# Altium PCB Zynq-Video-Board.PcbDoc (part 1 of 7) (continued)
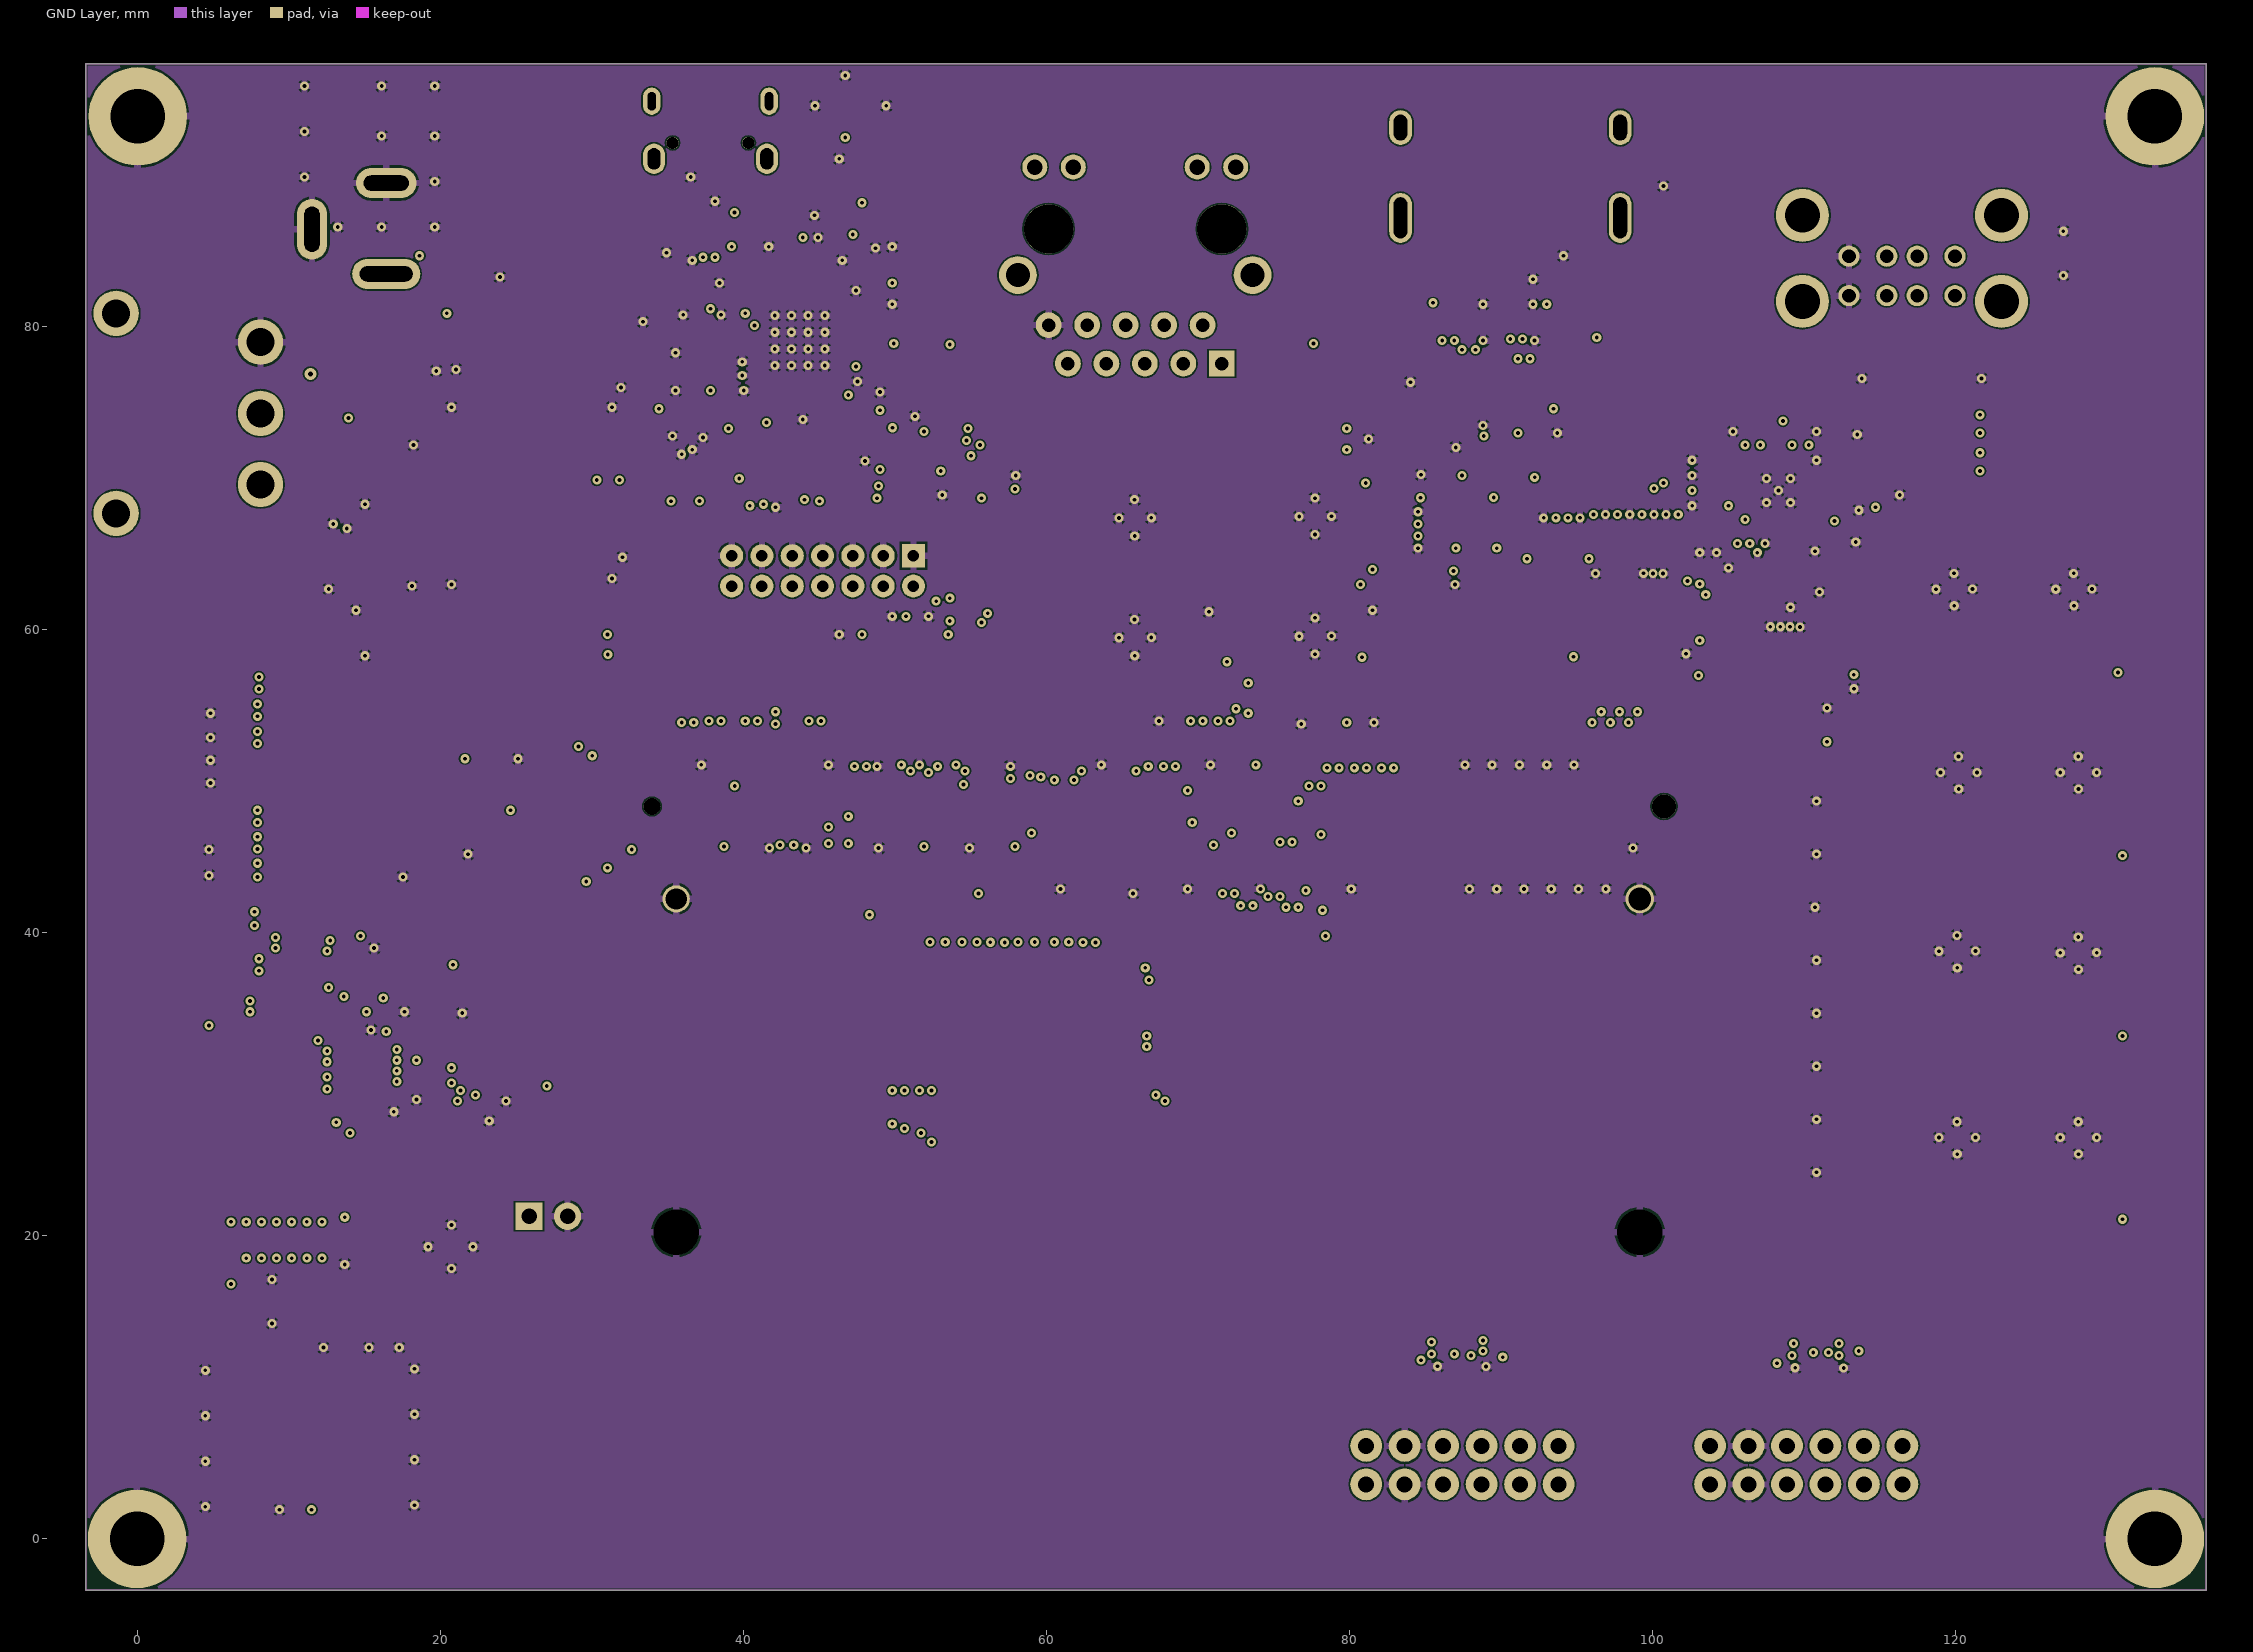
[diagram p3: GND Layer]
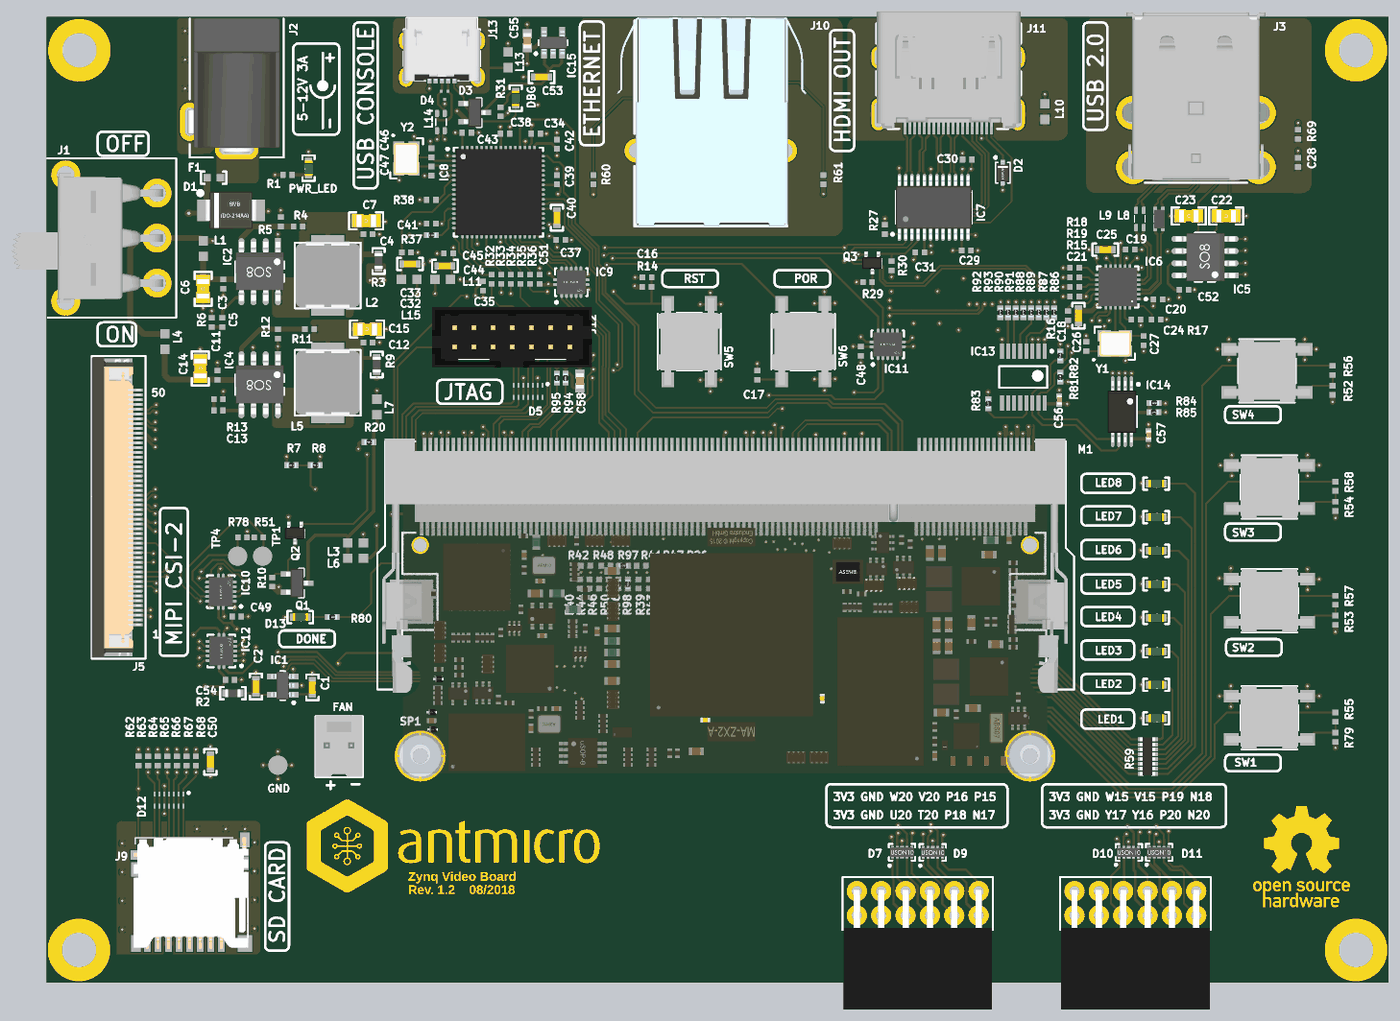
[diagram p10: 3D render of the assembled board from above, using the file's embedded part models]

## Layer stack, top to bottom
Top Solder: solder mask 0.0102, Solder Resist, Dk 3.5
Top Layer: signal copper 0.018
Dielectric 1: prepreg 0.36, FR-4, Dk 4.6
Power Layer: signal copper 0.035
Dielectric 2: core 0.71, FR+4, Dk 4.6
GND Layer: signal copper 0.035
Dielectric 3: prepreg 0.36, Dk 4.6
Bottom Layer: signal copper 0.018
Bottom Solder: solder mask 0.0102, Solder Resist, Dk 3.5

## Board outline
-3.4,-3.4 136.6,-3.4 136.6,97.39 -3.4,97.39

## Design rules (kind name [scope] priority, off if disabled: settings)
Clearance Clearance-xPP-xTP-xTT [All] p1: gap=0.1
ComponentClearance [All] p1: gap=0.25 collisioncheckmode=3 verticalgap=0.25 showdistances=FALSE
DiffPairsRouting [All] p1: maxlimit=0.2 minlimit=0.12 mostfreqgap=0.2 toplayer_maxgap=0.12 toplayer_prefgap=0.12 toplayer_minwidth=0.23 toplayer_maxwidth=0.23 toplayer_prefwidth=0.23 midlayer1_mingap=0.2 midlayer1_minwidth=0.2 midlayer1_maxwidth=0.2 midlayer1_prefwidth=0.2 midlayer2_mingap=0.2 midlayer2_minwidth=0.2 midlayer2_maxwidth=0.2 midlayer2_prefwidth=0.2 bottomlayer_maxgap=0.12 bottomlayer_prefgap=0.12 bottomlayer_minwidth=0.23 bottomlayer_maxwidth=0.23 bottomlayer_prefwidth=0.23 maxuncoupledlength=2
Height [All] p1: minheight=0 maxheight=25 prefheight=12.5
HoleSize HoleSize-PTH [All] p1: absolutevalues=TRUE maxlimit=4 minlimit=0.15 maxpercent=80.000 minpercent=20.000
HoleToHoleClearance [All] p1: gap=0.2 allowstackedmicrovias=TRUE
MinimumAnnularRing "Minimum IAR  <= 0.45mm" [((ObjectKind = 'Pad') OR (ObjectKind = 'Via')) And (Layer = 'MultiLayer') And (HoleDiameter <= AsMM(0.45))] p1: minimumring=0.125 // minimum inner annular ring for pads <= 0.45mm finished hole size
MinimumAnnularRing "Minimum IAR  > 0.45mm" [((ObjectKind = 'Pad') OR (ObjectKind = 'Via')) And (Layer = 'MultiLayer') And (HoleDiameter > AsMM(0.45))] p2: minimumring=0.125 // minimum inner annular ring for pads > 0.45mm finished hole size
MinimumAnnularRing Minimum-IAR [All] p3: minimumring=0.125
MinimumSolderMaskSliver [All] p1: minsoldermaskwidth=0
PlaneClearance PlaneClearance-IPI [All] p1: clearance=0.25
PlaneConnect [All] p1: planeconnectstyle=Relief reliefexpansion=0.175 reliefentries=4 reliefconductorwidth=0.45 reliefairgap=0.2
PolygonConnect PolygonConnect-xTW [All] p1: connectstyle=Relief reliefconductorwidth=0.45 reliefentries=4 polygonreliefangle="90 Angle" airgapwidth=0.15
RoutingCorners [All] p1: cornerstyle=45-Degree minsetback=2.5 maxsetback=2.5
RoutingVias "RoutingVias <= 0.45mm" [(ObjectKind = 'Via') And (HoleDiameter <= AsMM(0.45))] p1: holewidth=0.2 width=0.55 viastyle="Through Hole" minholewidth=0.15 minwidth=0.5 maxholewidth=0.45 maxwidth=0.8
RoutingVias "RoutingVias > 0.45mm" [(ObjectKind = 'Via') And (HoleDiameter > AsMM(0.45))] p2: holewidth=0.5 width=0.85 viastyle="Through Hole" minholewidth=0.5 minwidth=0.85 maxholewidth=0.9 maxwidth=1.25
SilkToSilkClearance [All] p1: silktosilkclearance=0.1
SilkToSolderMaskClearance SilkscreenOverComponentPads [IsPad] p1: minsilkscreentomaskgap=0.08 clearancetoexposedcopper=TRUE
SolderMaskExpansion [All] p1: expansion=0
Width Width-xTW [All] p1: maxlimit=1.5 minlimit=0.001 preferedwidth=0.2
18 further rules are at their usual default settings.

## Classes and differential pairs
component class [8]_Peripherals: D7 D9 D10 D11 J6 J7 LED1 LED2 LED3 LED4 LED5 LED6 LED7 LED8 R52 R53 R54 R55 R56 R57 R58 R59 R79 SW1 SW2 SW3 SW4
net class Z_90: 5V0_USB DBG_USB_D_C_N DBG_USB_D_C_P DBG_USB_D_N DBG_USB_D_P
differential pair USB_D1: +USB_D1_P -USB_D1_N
differential pair USB_D0: +USB_D0_P -USB_D0_N
differential pair CN_B4: +CN_B4_P -CN_B4_N
differential pair CN_B3: +CN_B3_P -CN_B3_N
differential pair CN_B2: +CN_B2_P -CN_B2_N
differential pair CN_B1: +CN_B1_P -CN_B1_N
differential pair USB_UP: +USB_UP_P -USB_UP_N
differential pair ETH_D: +ETH_D_P -ETH_D_N
differential pair ETH_C: +ETH_C_P -ETH_C_N
differential pair ETH_B: +ETH_B_P -ETH_B_N
differential pair ETH_A: +ETH_A_P -ETH_A_N
differential pair DBG_USB_D: +DBG_USB_D_P -DBG_USB_D_N
differential pair TMDS_CLK: +TMDS_CLK_P -TMDS_CLK_N
differential pair TMDS_D0: +TMDS_D0_P -TMDS_D0_N
differential pair TMDS_D1: +TMDS_D1_P -TMDS_D1_N
differential pair TMDS_D2: +TMDS_D2_P -TMDS_D2_N
differential pair CN_C1: +CN_C1_P -CN_C1_N
differential pair CN_C2: +CN_C2_P -CN_C2_N
differential pair CN_C3: +CN_C3_P -CN_C3_N
differential pair CN_C4: +CN_C4_P -CN_C4_N
differential pair L_USB_D0: +L_USB_D0_P -L_USB_D0_N
differential pair L_USB_D1: +L_USB_D1_P -L_USB_D1_N
differential pair HP_CSI1_CLK: +HP_CSI1_CLK_P -HP_CSI1_CLK_N
differential pair HP_CSI1_D0: +HP_CSI1_D0_P -HP_CSI1_D0_N
differential pair HP_CSI1_D1: +HP_CSI1_D1_P -HP_CSI1_D1_N
differential pair HP_CSI2_CLK: +HP_CSI2_CLK_P -HP_CSI2_CLK_N
differential pair HP_CSI2_D0: +HP_CSI2_D0_P -HP_CSI2_D0_N
differential pair HP_CSI2_D1: +HP_CSI2_D1_P -HP_CSI2_D1_N

## Components (designator, comment, footprint, x,y, rotation, side; value= is the part's Value field where it differs from the comment)
C1 "2u2" 0603#1 24.35,27.4 r270 top
C2 "2u2" 0603#1 18.45,27.5 r270 top
C3 "100n" 0402#1 15.05,69.5 r90 top
C4 "100n" 0402#1 30.15,74.7 r180 top
C5 "2n2" 0402#1 14.95,65.5 r90 top
C6 "22u" 0805 12.95,69 r90 top
C7 "22u" 0805 29.95,76.1 r180 top
C11 "100n" 0402#1 14.45,60 r270 top
C12 "100n" 0402#1 30.15,63.4 r180 top
C13 "1n5" 0402#1 14.55,56.3 r0 top
C14 "22u" 0805 12.65,60.7 r270 top
C15 "22u" 0805 30.05,64.8 r180 top
C16 "10n" 0402#1 59.25,70.2 r0 top
C17 "10n" 0402#1 70.75,60 r270 top
C18 "1u" 0603#1 104.25,66.2 r90 top
C19 "100n" 0402#1 109.65,73.1 r180 top
C20 "100n" 0402#1 112.55,67.9 r180 top
C21 "100n" 0402#1 103.85,68.2 r0 top
C22 "22u" 0805 119.65,76.6 r180 top
C23 "22u" 0805 115.75,76.6 r0 top
C24 "100n" 0402#1 110.25,65.8 r180 top
C25 "1u" 0603#1 107.05,73.1 r0 top
C26 "18p" 0402#1 105.05,63 r270 top
C27 "18p" 0402#1 111.05,63.6 r90 top
C28 "100n" 0402#1 127.15,82.2 r270 top
C29 "100n" 0402#1 92.55,73 r0 top
C30 "100n" 0402#1 92.65,82.5 r180 top
C31 "100n" 0402#1 87.7,72.8 r180 top
C32 "4u7" 0603#1 34.53,71.6 r0 top
C33 "100n" 0402#1 34.15,72.8 r180 top
C34 "100n" 0402#1 47.65,85.2 r180 top
C35 "100n" 0402#1 42.15,69.3 r90 top
C37 "100n" 0402#1 50.25,74.1 r180 top
C38 "100n" 0402#1 44.45,85.2 r180 top
C39 "100n" 0402#1 49.85,80.4 r270 top
C40 "4u7" 0603#1 49.85,76.42 r270 top
C41 "100n" 0402#1 36.75,75.8 r0 top
C42 "100n" 0402#1 49.85,84.1 r270 top
C43 "100n" 0402#1 40.45,85.3 r180 top
C44 "4u7" 0603#1 38.17,71.4 r180 top
C45 "100n" 0402#1 38.55,72.7 r0 top
C46 "18p" 0402#1 36.75,83.2 r270 top
C47 "18p" 0402#1 36.75,81.3 r90 top
C48 "100n" 0402#1 81.55,62.5 r270 top
C49 "100n" 0402#1 16.45,34.8 r0 top
C50 "1u" 0603#1 13.709,19.629 r90 top
C51 "100n" 0402#1 48.05,70 r90 top
C52 "100n" 0402#1 115.25,68.9 r180 top
C53 "1u" 0603#1 48.25,91.1 r0 top
C54 "100n" 0402#1 15.75,28.2 r0 top
C55 "1u" 0603#2 46.75,94.9 r270 top
C56 "100n" 0402#2 102.25,57.4 r270 top
C57 "100n" 0402#2 111.56,53.74 r270 top
C58 "2u2" 0603#2 52.25,59.4 r270 top
D1 "SMAJ12A" DO-214AA 15.85,77.2 r0 top
D2 "1N4148WS" SOD-323 96.35,81.1 r0 top
D3 "BAV70LT3G" SOT-23 41.279,87.399 r0 top
D4 "TPD2E009DRTR" SOT-3 38.15,89.2 r180 top
D5 "TPD6E05U06" TPD6E05U06_PASS 46.85,58.3 r180 top
D7 "TPD4E05U06" TPD4E05U06_PASS 85.85,10.2 r0 top
D9 "TPD4E05U06" TPD4E05U06_PASS 89.05,10.185 r0 top
D10 "TPD4E05U06" TPD4E05U06_PASS 109.502,10.185 r0 top
D11 "TPD4E05U06" TPD4E05U06_PASS 112.65,10.2 r0 top
D12 "TPD6E05U06" TPD6E05U06_PASS 9.409,15.629 r180 top
D13 "KPT-1608SGC" LED0603 23.08,34.73 r180 top
DBG "KPT-1608SGC" LED0603 45.55,88.9 r90 top
F1 "3A" 0603#3 14.75,80.6 r180 top
FAN "MX-22-23-2021" molex_2223-2021 27.15,21.3 r0 top
GND "Testpad" TP-R-2#1 20.75,19.286 r0 top
IC1 "TLV73328PDBVT" SOT23-5N 21.25,27.6 r180 top
IC2 "NCP3170BDR2G" SOIC-8 20.75,73.5 r270 top
IC4 "NCP3170BDR2G" SOIC-8 20.75,61.7 r270 top
IC5 "MIC2026-1YM" SOIC-8 120.15,70.4 r180 top
IC6 "USB2422" QFN24 108.35,69.2 r180 top
IC7 "TPD12S016PWR" TSOP65P640X120-24L 89.15,77.5 r90 top
IC8 "FT4232HQ" FT2232HQ 43.75,79.1 r0 top
IC9 "NTB0104BQ" DHVQFN14 51.35,69.7 r90 top
IC10 "NTB0104BQ" DHVQFN14 14.8,37.4 r180 top
IC11 "NTB0104BQ" DHVQFN14 84.35,63.2 r90 top
IC12 "NTS0104BQ" DHVQFN14 14.85,31.2 r180 top
IC13 "TCA9554A" DBQ0016A 98.49,59.8 r270 top
IC14 "RM24C128DS-LTAI-B" TSSOP-8 108.79,56.19 r270 top
IC15 "TLV73333PDBVT" SOT23-5N 49.45,94.7 r90 top
J1 "6A" 1101M2S3AQE2 8.15,69.6 r90 top
J2 "" DC_SOCKET 16.45,97.2 r270 top
J3 "Value" T_MMMC_896-43-008-90-000000 123.75,97.8 r180 top
J5 "68715014522" 68715014522_FLIPPED 5.05,46.2 r270 top locked
J6 "SSW-106-02-G-D-RA" SSW-106-02-G-D-RA 81.13,3.6 r0 top
J7 "SSW-106-02-G-D-RA" SSW-106-02-G-D-RA 103.83,3.6 r0 top
J9 "114-00841-68" 114-00841-68 17.309,1.529 r0 top
J10 "7499111121A" WE_7499111121A 65.85,85.4 r180 top
J11 "47151-1001" Molex_HDMI_471511001 90.65,89.8 r180 top
J12 "Molex-87831-1420" CON-Molex-87831-1420 51.25,64.9 r180 top
J13 "Value" WE_629105150521 37.85,94 r180 top
L1 "BLM18SG121TN1D" 0603#4 12.95,73.2 r270 top
L2 "IHLP2525CZER3R3M01" IHLP-2525CZ-01 25.95,70.4 r90 top
L3 "BLM18SG121TN1D" 0603#4 28.85,42.5 r0 top
L4 "BLM18SG121TN1D" 0603#4 8.95,63.5 r270 top
L5 "IHLP2525CZER3R3M01" IHLP-2525CZ-01 25.95,59.2 r90 top
L6 "BLM18SG121TN1D" 0603#4 28.85,40.9 r0 top
L7 "BLM18SG121TN1D" 0603#4 31.075,56.675 r90 top
L8 "DLW21SN900SQ2" DLW21SN900SQ2 112.65,76.3 r90 top
L9 "DLW21SN900SQ2" DLW21SN900SQ2 110.65,76.3 r90 top
L10 "BLM18SG121TN1D" 0603#4 100.75,87.5 r270 top
L11 "BLM18AG601SN1D" 0603#4 37.95,70 r0 top
L13 "BLM18SG121TN1D" 0603#4 44.75,92.9 r90 top
L14 "DLW21SN900SQ2" DLW21SN900SQ2 37.75,86.4 r90 top
L15 "BLM18AG601SN1D" 0603#4 34.45,70 r180 top
LED1 "KPT-1608SGC" LED0603 112.35,24.17 r180 top
LED2 "KPT-1608SGC" LED0603 112.35,27.67 r180 top
LED3 "KPT-1608SGC" LED0603 112.35,31.17 r180 top
LED4 "KPT-1608SGC" LED0603 112.35,34.67 r180 top
LED5 "KPT-1608SGC" LED0603 112.35,38.17 r180 top
LED6 "KPT-1608SGC" LED0603 112.35,41.67 r180 top
LED7 "KPT-1608SGC" LED0603 112.35,45.17 r180 top
LED8 "KPT-1608SGC" LED0603 112.35,48.67 r180 top
M1 "1565917-4" TE_1565917-4 73.25,47.1 r270 top locked
PWR_LED "KPT-1608SGC" LED0603 23.95,81.6 r90 top
Q1 "PMV32UP" SOT-23 22.75,38.3 r0 top
Q2 "BSS138PW" SC70-3 22.55,43.5 r270 top
Q3 "BSS138PW" SC70-3 82.75,71.7 r270 top
R1 "1k2" 0402#1 21.75,80.9 r180 top
R2 "0R" 0603#1 16.05,26.8 r180 top
R3 "0R" 0603#1 31.25,71.9 r270 top
R4 "24k9" 0402#1 22.85,75.5 r0 top
R5 "2k2" 0402#1 21.05,76 r270 top
R6 "8k25" 0402#1 13.85,65.5 r270 top
R7 "0R" 0402#1 22.15,50.6 r0 top
R8 "0R" 0402#1 24.65,50.6 r0 top
R9 "0R" 0603#1 31.05,61.1 r270 top
R10 "10k" 0402#1 20.15,38.4 r270 top
R11 "24k9" 0402#1 24.05,64.8 r0 top
R12 "7k87" 0402#1 20.75,64.3 r90 top
R13 "12k" 0402#1 14.55,57.5 r180 top
R14 "10k" 0402#1 59.23,69.2 r0 top
R15 "10k" 0402#1 103.85,69.2 r0 top
R16 "10k" 0402#1 103.15,66.2 r270 top
R17 "12k" 0402#1 112.35,65.8 r180 top
R18 "10k" 0402#1 103.85,71.2 r180 top
R19 "10k" 0402#1 103.85,70.2 r180 top
R20 "0R" 0402#1 30.25,53 r0 top
R25 "100R" 0402#1 62.57,38.2 r270 top
R26 "150R" 0402#1 63.069,40.1 r180 top
R27 "10k" 0402#1 84.05,75.2 r270 top
R28 "100R" 0402#1 63.543,38.2 r270 top
R29 "10k" 0402#1 82.25,69.7 r180 top
R30 "10k" 0402#1 84.75,71.4 r90 top
R31 "470R" 0402#1 43.965,87.481 r90 top
R32 "22R" 0402#1 43.05,70 r270 top
R33 "22R" 0402#1 44.05,70 r270 top
R34 "22R" 0402#1 45.05,70 r270 top
R35 "22R" 0402#1 46.05,70 r270 top
R36 "22R" 0402#1 47.05,70 r270 top
R37 "10k" 0402#1 36.75,74.6 r0 top
R38 "12k" 0402#1 36.75,78.3 r0 top
R39 "100R" 0402#1 58.35,38.2 r270 top
R40 "100R" 0402#1 52.25,38.2 r270 top
R41 "150R" 0402#1 58.65,40.1 r180 top
R42 "150R" 0402#1 52.85,40.1 r180 top
R43 "100R" 0402#1 59.45,38.2 r270 top
R44 "100R" 0402#1 53.25,38.2 r270 top
R45 "100R" 0402#1 60.6,38.2 r270 top
R46 "100R" 0402#1 54.25,38.2 r270 top
R47 "150R" 0402#1 61.1,40.1 r180 top
R48 "150R" 0402#1 54.95,40.1 r180 top
R49 "100R" 0402#1 61.6,38.2 r270 top
R50 "100R" 0402#1 55.25,38.2 r270 top
R51 "10k" 0402#1 18.75,43.05 r0 top
R52 "10k" 0402#1 130.75,58.415 r270 top
R53 "10k" 0402#1 131.05,34.415 r270 top
R54 "10k" 0402#1 131.05,46.3 r270 top
R55 "22R" 0402#1 131.05,24.3 r270 top
R56 "22R" 0402#1 130.75,60.5 r270 top
R57 "22R" 0402#1 131.05,36.5 r270 top
R58 "22R" 0402#1 131.05,48.4 r270 top
R59 "8x330R" R_ARRAY_0402 111.55,20.2 r90 top
R60 "150R" 0402#1 53.65,80.4 r270 top
R61 "150R" 0402#1 77.65,80.4 r270 top
R62 "10k" 0402#1 6.209,19.729 r90 top
R63 "10k" 0402#1 7.209,19.729 r90 top
R64 "10k" 0402#1 8.209,19.729 r90 top
R65 "10k" 0402#1 9.209,19.729 r90 top
R66 "10k" 0402#1 10.209,19.729 r90 top
R67 "10k" 0402#1 11.209,19.729 r90 top
R68 "10k" 0402#1 12.209,19.729 r90 top
R69 "330R" 0402#1 127.15,85.12 r270 top
R70 "49R9" 0402#1 91.73,69.4 r0 bottom
R71 "49R9" 0402#1 90.05,69.4 r180 bottom
R72 "49R9" 0402#1 94.65,64.7 r0 bottom
R73 "49R9" 0402#1 92.95,64.7 r180 bottom
R74 "49R9" 0402#1 89.25,64.7 r0 bottom
R75 "49R9" 0402#1 87.55,64.7 r180 bottom
R76 "49R9" 0402#1 86.95,69.4 r0 bottom
R77 "49R9" 0402#1 85.25,69.4 r180 bottom
R78 "10k" 0402#1 17.05,43.05 r180 top
R79 "10k" 0402#1 131.05,22.2 r270 top
R80 "330R" 0402#1 26.41,34.75 r0 top
R81 "2k2" 0402#1 102.35,59.8 r270 top
R82 "2k2" 0402#1 102.35,62 r90 top
R83 "2k2" 0402#1 94.85,57 r90 top
R84 "0R" 0402#1 112.13,57.08 r0 top
R85 "0R" 0402#1 112.12,56.12 r180 top
R86 "10k" 0402#1 101.7,66.5 r90 top
R87 "10k" 0402#1 100.9,66.5 r90 top
R88 "10k" 0402#1 99.3,66.5 r90 top
R89 "10k" 0402#1 100.1,66.5 r90 top
R90 "10k" 0402#1 97.7,66.5 r90 top
R91 "10k" 0402#1 98.5,66.5 r90 top
R92 "10k" 0402#1 96.1,66.5 r90 top
R93 "10k" 0402#1 96.9,66.5 r90 top
R94 "9k1" 0402#1 50.75,59.7 r270 top
R95 "0R" 0402#1 49.85,59.7 r270 top
R96 "100R" 0402#1 56.25,38.2 r270 top
R97 "150R" 0402#1 56.797,40.1 r180 top
R98 "100R" 0402#1 57.25,38.2 r270 top
SP1 "9774030243" M2-3mm 35.591,20.249 r0 top
SP2 "9774030243" M2-3mm 99.191,20.249 r0 top
SW1 "B3S-100X" B3S-100X 124.16,24.225 r180 top
SW2 "B3S-100X" B3S-100X 124.16,36.44 r180 top
SW3 "B3S-100X" B3S-100X 124.16,48.325 r180 top
SW4 "B3S-100X" B3S-100X 123.91,60.44 r180 top
SW5 "B3S-100X" B3S-100X 63.65,63.5 r90 top
SW6 "B3S-100X" B3S-100X 75.55,63.5 r90 top
TP1 "Testpad" TP-R-2#1 19.15,41.1 r90 top
TP4 "Testpad" TP-R-2#1 16.55,41.1 r180 top
TP5 "Testpad" TP-R-2#2 73.25,45.5 r90 top
TP6 "Testpad" TP-R-2#1 56.25,50.4 r90 bottom
TP7 "Testpad" TP-R-2#2 80.45,40.7 r90 top
TP11 "Testpad" TP-R-2#3 20.75,19.286 r90 bottom
Y1 "24MHz" X1E0000210832 106.95,62.5 r0 top
Y2 "12MHz" QC3CA12 33.35,83.7 r270 top

## Footprints (in the part's own frame and the unit in brackets; to place one, negate y for a bottom-side part, rotate by r counter-clockwise, add the part's x,y. Pads: shape width x height; smd on the part's side, far side on the other; paste and mask are expansions set on the pad)
114-00841-68 [mm]
  rect 0.7x1.75 smd: 1(-2.455,-0.874) 2(-3.555,-0.874) 3(-4.655,-0.874) 4(-5.755,-0.874) 5(-6.855,-0.874) 6(-7.955,-0.874) 7(-9.055,-0.874) 8(-10.155,-0.874)
  rect 1.5x1 smd: 9(-11.155,8.365)
  rect 1x1.55 smd: 10(0.005,9.94)
  rect 1x1.75 smd: M(-11.355,-0.874)
  rect 1x1.5 smd: M(-11.355,6.865)
  rect 1.5x1.75 smd: M(-0.005,-0.874)
  rect 0.8x1.4 smd: M(-0.005,7.515)
  silkscreen extent -11.42,0.52 0.01,10.17, body extent -11.63,-1.38 0.37,10.22, height 1.6
0402#1 [mm]
  rect 0.57x0.62 smd: 1(-0.48,0) 2(0.48,0)
  body extent -0.55,-0.3 0.55,0.3, height 0.5
0402#2 [mm]
  rect 0.55x0.6 smd: 1(-0.425,0) 2(0.425,0)
  body extent -0.51,-0.25 0.5,0.27, height 0.49
0603#1 [mil]
  rect 30x30 smd: 1(-27.5,0) 2(27.5,0)
  silkscreen extent -53,-25 53,25, body extent -30,-15 30,15, height 31
0603#2 [mil]
  rect 37.4x37.4 smd: 1(-28.54,0) 2(28.54,0)
  body extent -31,-16 32,16, height 18
0603#3 [mil]
  rect 30x30 smd: 1(0,0) 2(55,0)
  silkscreen extent -25,-25 80,25
0603#4 [mil] "Chip Inductor Ferrite Bead 0603"
  rect 38.19x37.8 smd: 1(-32.09,0) 2(32.09,0)
  body extent -34,-19 34,19, height 24
0805 [mil]
  rect 40x50 smd: 1(-40,0) 2(40,0)
  silkscreen extent -70,-35 70,35, body extent -59,-27 59,28, height 37
1101M2S3AQE2 [mm] "1101M2S3AQE2 is a single-pole double-throw (SPDT) PC mount vertical Miniature Slide Switch"
  round 3 hole 1.85: 1(0,0) 2(4.7,0) 3(9.4,0) S(-1.9,9.53) S(11.3,9.53)
  silkscreen extent -3.6,-2 13,11.5, body extent -2.08,-0.64 11.48,15.13, height 6.85
68715014522_FLIPPED [mm] "50 pins"
  rect 0.3x1.2 smd: 1(12.25,0.99) 2(11.75,0.99) 3(11.25,0.99) 4(10.75,0.99) 5(10.25,0.99) 6(9.75,0.99) 7(9.25,0.99) 8(8.75,0.99) 9(8.25,0.99) 10(7.75,0.99) 11(7.25,0.99) 12(6.75,0.99) 13(6.25,0.99) 14(5.75,0.99) 15(5.25,0.99) 16(4.75,0.99) 17(4.25,0.99) 18(3.75,0.99) 19(3.25,0.99) 20(2.75,0.99) 21(2.25,0.99) 22(1.75,0.99) 23(1.25,0.99) 24(0.75,0.99) 25(0.25,0.99) 26(-0.25,0.99) 27(-0.75,0.99) 28(-1.25,0.99) 29(-1.75,0.99) 30(-2.25,0.99) 31(-2.75,0.99) 32(-3.25,0.99) 33(-3.75,0.99) 34(-4.25,0.99) 35(-4.75,0.99) 36(-5.25,0.99) 37(-5.75,0.99) 38(-6.25,0.99) 39(-6.75,0.99) 40(-7.25,0.99) 41(-7.75,0.99) 42(-8.25,0.99) 43(-8.75,0.99) 44(-9.25,0.99) 45(-9.75,0.99) 46(-10.25,0.99) 47(-10.75,0.99) 48(-11.25,0.99) 49(-11.75,0.99) 50(-12.25,0.99)
  rect 2.7x3 smd: M(-14.18,-0.99) M(14.18,-0.99)
  silkscreen extent -15.8,-3.71 15.8,1.89, body extent -15.7,-3.71 15.7,1.39, height 2.06
B3S-100X [mm]
  rect 1.55x1.3 smd: 1(-3.975,2.25) 2(3.975,2.25) 3(-3.975,-2.25) 4(3.975,-2.25)
  silkscreen extent -3,-3.3 3,3.3, body extent -4.5,-3.3 4.5,3.3, height 4.4
CON-Molex-87831-1420 [mil]
  rect 60x60 hole 30: 1(0,0)
  round 60 hole 30: 2(0,78.74) 3(78.74,0) 4(78.74,78.74) 5(157.48,0) 6(157.48,78.74) 7(236.22,0) 8(236.22,78.74) 9(314.96,0) 10(314.96,78.74) 11(393.7,0) 12(393.7,78.74) 13(472.44,0) 14(472.44,78.74)